# Altium PCB devkit-visao.PcbDoc (part 1 of 2) (continued)
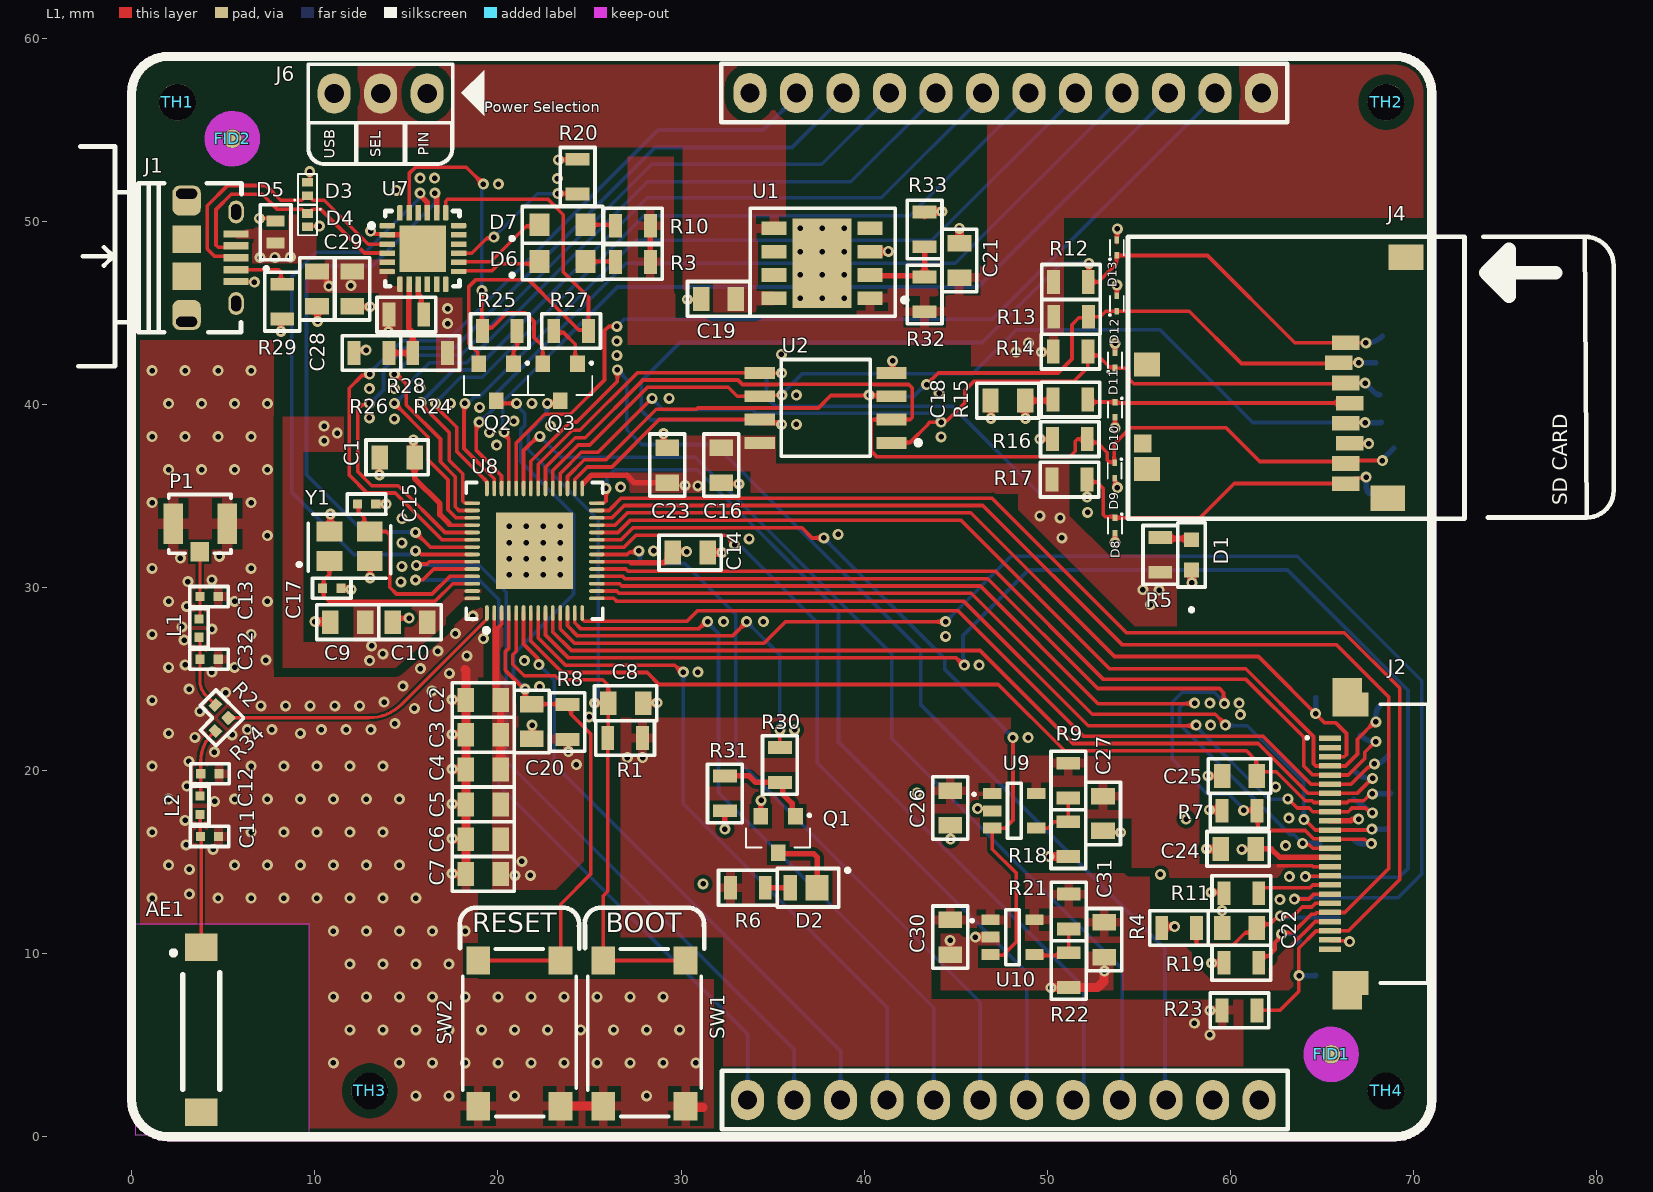
[diagram p0: L1 view]
## Part data (continued)
R4 R19 R23: library part ESR10EZPJ472, "RES - 4K7 0.4W 0805 ±5%", Case Code (Imperial)=0805, Case Code (Metric)=2012, Manufacturer 1=Rohm, Max Power Dissipation=400mW, Resistance=4.7kR, Supplier Part Number 1=RHM4.7KKCT-ND, Temperature Coefficient=200ppm/°C, Tolerance=5%, .PCBChecked="Victor Holanda", .SCHChecked="Victor Holanda", Case/Package=0805, Category="Chip SMD Resistors", ComponentLink7Description=https://datasheet.ciiva.com/16212/esr10ezpd-16212069.pdf?src-supplier=Future+Electronics, ComponentLink7URL=https://datasheet.ciiva.com/16212/esr10ezpd-16212069.pdf?src-supplier=Future+Electronics, Features="Automotive AEC-Q200", Lead Free="Lead Free", Manufacturer Part Number 1=ESR10EZPJ472, Number of Terminations=2, Packaging="Tape and Reel", Power Rating=400mW, Pricing 1="1=0,10000, 10=0,09000, 100=0,03450, 1000=0,01518, 2500=0,01311 (USD)", RoHS=Yes, RoHS Compliant=Yes, Series=ESR, Size Code=0805, Stock 1=374197, Supplier 1=Digi-Key
R6: library part ERJ-6DQJ3R0V, "RES - 3Ω 1/2W 0805 ±5%", Case Code (Imperial)=0805, Case Code (Metric)=2012, Manufacturer 1=Panasonic, Max Operating Temperature=155°C, Max Power Dissipation=500mW, Min Operating Temperature=-55°C, Resistance=3R, Resistor Type="Thick Film", Supplier Part Number 1=P19231CT-ND, Temperature Coefficient=100ppm/°C, Tolerance=5%, .PCBChecked="Victor H", .SCHChecked="Victor H", Case/Package=0805, Category="Chip SMD Resistors", ComponentLink1Description=https://industrial.panasonic.com/cdbs/www-data/pdf/RDN0000/AOA0000C313.pdf?src-supplier=Digi-Key, ComponentLink1URL=https://industrial.panasonic.com/cdbs/www-data/pdf/RDN0000/AOA0000C313.pdf?src-supplier=Digi-Key, Features="Automotive AEC-Q200", Height=0.028inch, Length=0.079inch, Manufacturer Part Number 1=ERJ-6DQJ3R0V, Number of Terminations=2, Packaging="Tape and Reel", Pricing 1="1=0,24000, 10=0,20600, 25=0,15000, 50=0,10880, 100=0,08070, 250=0,06192, 500=0,04878, 1000=0,03377 (USD)", RoHS=Yes, Stock 1=5000, Supplier 1=Digi-Key, Width=0.049inch
R9 R32: library part RMCF0805FT30K0, "RES - 30K 1/8W 0805 ±1%", Case/Package=0805, Manufacturer="Stackpole Electronics", Max Operating Temperature=155°C, Max Power Dissipation=125mW, Min Operating Temperature=-55°C, Package Quantity=5000, Resistance=30kR, Resistor Type="Thick Film", Supplier Part Number 1=RMCF0805FT30K0CT-ND, Temperature Coefficient=100ppm/°C, Tolerance=1%, .PCBChecked="Victor H", .SCHChecked="Victor H", Category="Chip SMD Resistors", ComponentLink1Description=http://components.arrow.com/part/dataview/40964155S7714593N1174?src-supplier=Arrow+Electronics, ComponentLink1URL=http://components.arrow.com/part/dataview/40964155S7714593N1174?src-supplier=Arrow+Electronics, ComponentLink2Description=https://www.seielect.com/catalog/sei-rmcf_rmcp.pdf?src-supplier=Digi-Key, ComponentLink2URL=https://www.seielect.com/catalog/sei-rmcf_rmcp.pdf?src-supplier=Digi-Key, ComponentLink3Description=https://www.seielect.com/catalog/SEI-Packaging.pdf?src-supplier=Digi-Key, ComponentLink3URL=https://www.seielect.com/catalog/SEI-Packaging.pdf?src-supplier=Digi-Key, ComponentLink4Description=https://www.seielect.com/catalog/SEI-RMCF_RMCP.pdf?src-supplier=Avnet, ComponentLink4URL=https://www.seielect.com/catalog/SEI-RMCF_RMCP.pdf?src-supplier=Avnet, Contact Plating=Tin,Matte, Features="Automotive AEC-Q200", Height=0.026inch, Lead Free="Lead Free", Length=0.079inch, Manufacturer Part Number=RMCF0805FT30K0, Mount="Surface Mount", mounting=SMD, Number of Terminations=2, Packaging="Tape and Reel", Pricing 1="1=0,10000, 10=0,02700, 100=0,01090, 1000=0,00488, 2500=0,00423 (USD)", Radiation Hardening=No, RoHS=Yes, RoHS Compliant=Yes, Series=RMCF, Stock 1=854420, Supplier 1=Digi-Key, Width=0.049inch
R18 R22 R26: library part RNCP0805FTD47K5, "RES - 47K5 1/4W 0805 ±1%", Case Code (Imperial)=0805, Case Code (Metric)=2012, Manufacturer 1="Stackpole Electronics", Max Operating Temperature=155°C, Max Power Dissipation=250mW, Min Operating Temperature=-55°C, Resistance=47.5kR, Resistor Type="Thin Film", Supplier Part Number 1=RNCP0805FTD47K5CT-ND, Temperature Coefficient=100ppm/°C, Tolerance=1%, .PCBChecked="Victor H", .SCHChecked="Victor H", Case/Package=0805, Category="Chip SMD Resistors", ComponentLink7Description=http://www.seielect.com/Catalog/SEI-rncp.pdf?src-supplier=Digi-Key, ComponentLink7URL=http://www.seielect.com/Catalog/SEI-rncp.pdf?src-supplier=Digi-Key, ComponentLink8Description=https://www.seielect.com/catalog/SEI-Packaging.pdf?src-supplier=Digi-Key, ComponentLink8URL=https://www.seielect.com/catalog/SEI-Packaging.pdf?src-supplier=Digi-Key, Features="Moisture Resistant,Anti-Sulfur", Height=0.024inch, Length=0.079inch, Manufacturer Part Number 1=RNCP0805FTD47K5, Mount="Surface Mount", Number of Terminations=2, Packaging="Tape and Reel", Pricing 1="1=0,10000, 10=0,07300, 100=0,02970, 1000=0,01336, 2500=0,01159 (USD)", RoHS=Yes, RoHS Compliant=Yes, Series=RNCP, Stock 1=36830, Supplier 1=Digi-Key, Width=0.049inch
R21: library part RMCF0805FT120K, "RES - 120K 1/8W 0805 ±1%", Case Code (Imperial)=0805, Case Code (Metric)=2012, Manufacturer="Stackpole Electronics", Max Operating Temperature=155°C, Max Power Dissipation=125mW, Min Operating Temperature=-55°C, Resistance=120kR, Resistor Type="Thick Film", Supplier Part Number 1=RMCF0805FT120KCT-ND, Temperature Coefficient=100ppm/°C, Tolerance=1%, Case/Package=0805, Category="Chip SMD Resistors", ComponentLink1Description=https://www.seielect.com/catalog/SEI-Packaging.pdf?src-supplier=Digi-Key, ComponentLink1URL=https://www.seielect.com/catalog/SEI-Packaging.pdf?src-supplier=Digi-Key, ComponentLink2Description=https://www.seielect.com/Catalog/SEI-RMCF_RMCP.pdf?src-supplier=Digi-Key, ComponentLink2URL=https://www.seielect.com/Catalog/SEI-RMCF_RMCP.pdf?src-supplier=Digi-Key, ComponentLink3Description=https://www.seielect.com/catalog/SEI-RMCF_RMCP.pdf?src-supplier=Avnet, ComponentLink3URL=https://www.seielect.com/catalog/SEI-RMCF_RMCP.pdf?src-supplier=Avnet, Contact Plating=Tin,Matte, Features="Automotive AEC-Q200", Height=0.026inch, Lead Free="Lead Free", Length=0.079inch, Manufacturer Part Number=RMCF0805FT120K, Mount="Surface Mount", Number of Terminations=2, Packaging="Tape and Reel", Pricing 1="1=0,10000, 10=0,02700, 100=0,01090, 1000=0,00488, 2500=0,00423 (USD)", Radiation Hardening=No, RoHS=Yes, RoHS Compliant=Yes, Series=RMCF, Stock 1=24760, Supplier 1=Digi-Key, Width=0.049inch
R24: library part RMCF0805FT22K1, "RES - 22K1 1/8W 0805 ±1%", Case Code (Imperial)=0805, Case Code (Metric)=2012, Manufacturer 1="Stackpole Electronics", Max Operating Temperature=155°C, Max Power Dissipation=125mW, Min Operating Temperature=-55°C, Resistance=22.1kR, Resistor Type="Thick Film", Supplier Part Number 1=RMCF0805FT22K1CT-ND, Temperature Coefficient=100ppm/°C, Tolerance=1%, .PCBChecked="Victor H", .SCHChecked="Victor H", Case/Package=0805, Category="Chip SMD Resistors", ComponentLink7Description=https://datasheet.ciiva.com/15193/getdatasheetpartid-409700-15193558.pdf?src-supplier=Verical, ComponentLink7URL=https://datasheet.ciiva.com/15193/getdatasheetpartid-409700-15193558.pdf?src-supplier=Verical, Construction=Rectangular, Contact Plating=Tin,Matte, Depth=1.25mm, Features="Automotive AEC-Q200", Height=0.026inch, Lead Free="Lead Free", Length=0.079inch, Manufacturer Part Number 1=RMCF0805FT22K1, Military Standard=Not, Mount="Surface Mount", Number of Terminations=2, Packaging="Tape and Reel", Power Rating=125mW, Pricing 1="1=0,10000, 10=0,02700, 100=0,01090, 1000=0,00488, 2500=0,00423 (USD)", Radiation Hardening=No, RoHS=Yes, RoHS Compliant=Yes, Series=RMCF, Size Code=0805, Stock 1=1311048, Supplier 1=Digi-Key, Width=0.049inch
R29: library part RMCF0805ZT0R00, "RES - 0R 1/8W 0805", Case Code (Imperial)=0805, Case Code (Metric)=2012, Manufacturer 1="Stackpole Electronics", Max Operating Temperature=155°C, Max Power Dissipation=125mW, Min Operating Temperature=-55°C, Resistor Type="Thick Film", Supplier Part Number 1=RMCF0805ZT0R00CT-ND, .PCBChecked="Victor Holanda", .SCHChecked="Victor Holanda", Case/Package=0805, Category="Chip SMD Resistors", ComponentLink7Description=https://datasheet.ciiva.com/15193/getdatasheetpartid-360417-15193658.pdf?src-supplier=Verical, ComponentLink7URL=https://datasheet.ciiva.com/15193/getdatasheetpartid-360417-15193658.pdf?src-supplier=Verical, Construction=Rectangular, Contact Plating=Tin,Matte, Depth=1.25mm, Features="Automotive AEC-Q200", Height=0.026inch, Lead Free="Lead Free", Length=2mm, Manufacturer Part Number 1=RMCF0805ZT0R00, Military Standard=Not, Mount="Surface Mount", mouting=SMD, Number of Terminations=2, Packaging="Tape and Reel", Power Rating=125mW, Pricing 1="1=0,10000, 10=0,01700, 25=0,01280, 50=0,00960, 100=0,00710, 250=0,00540, 500=0,00432, 1000=0,00318 (USD)", Radiation Hardening=No, Resistance=0R, RoHS=Yes, RoHS Compliant=Yes, Series=RMCF, Size Code=0805, Stock 1=6449300, Supplier 1=Digi-Key, Width=0.049inch
SW1 SW2: library part "PTS645SM43SMTR92 LFS", "SWITCH TACTILE SPST-NO 0.05A 12V", Supplier Part Number 1=CKN9112CT-ND, .PCBChecked="Victor H", .SCHChecked="Victor H", Supplier 1=Digi-Key
TH1 TH2 TH3 TH4: "MECH - Tooling Holes"
TP1 TP2 TP3 TP4 TP5 TP6 TP11 TP12 TP13 TP14 TP15 TP16 TP17 TP18 TP19 TP20 TP21 TP22 TP23 TP24 TP25: library part Test_Point, "MECH - Test Points"
U1: "IC - LDO Voltage Controllers LDO Reg Pos 7.0V 1.5A", Dropout Voltage=600mV, Manufacturer 1=Rohm, Max Input Voltage=8V, Max Operating Temperature=85°C, Max Power Dissipation=2.11W, Min Input Voltage=4.5V, Min Operating Temperature=-25°C, Output Current=1.5A, Output Voltage=7V, Package Quantity=1, Supplier Part Number 1=BD70HC5WEFJ-E2CT-ND, .PCBChecked="Victor H", .SCHChecked="Victor H", Category="Voltage Regulators - Linear", ComponentLink1Description=https://datasheet.ciiva.com/12217/bd70hc5wefj-214377-12217508.pdf?src-supplier=Mouser, ComponentLink1URL=https://datasheet.ciiva.com/12217/bd70hc5wefj-214377-12217508.pdf?src-supplier=Mouser, ComponentLink2Description=https://datasheet.ciiva.com/6584/bdxxhc5wefj-e-6584252.pdf?src-supplier=Digi-Key, ComponentLink2URL=https://datasheet.ciiva.com/6584/bdxxhc5wefj-e-6584252.pdf?src-supplier=Digi-Key, ComponentLink3Description=https://datasheet.ciiva.com/6584/bdxxhc5wefj-e-6584253.pdf?src-supplier=Digi-Key, ComponentLink3URL=https://datasheet.ciiva.com/6584/bdxxhc5wefj-e-6584253.pdf?src-supplier=Digi-Key, ComponentLink4Description=https://datasheet.ciiva.com/6584/bdxxhc5wefj-e-6584254.pdf?src-supplier=Digi-Key, ComponentLink4URL=https://datasheet.ciiva.com/6584/bdxxhc5wefj-e-6584254.pdf?src-supplier=Digi-Key, Lead Free="Lead Free", Manufacturer Part Number 1=BD70HC5WEFJ-E2, Mount="Surface Mount", Number of Outputs=1, Number of Pins=8, Number of Regulators=1, Output Type=Fixed, Packaging="Tape and Reel", Pricing 1="1=0,75000, 10=0,65800, 25=0,61760, 100=0,50420, 250=0,46832, 500=0,39856, 1000=0,31885 (USD)", RoHS=Yes, RoHS Compliant=Yes, Series=-, Stock 1=4936, Supplier 1=Digi-Key
U2: "IC - NOR Flash Serial (SPI, Dual SPI, Quad SPI) 3V/3.3V 32M-bit 4M x 8 6ns 8-Pin SOIC T/R", Case/Package=SOIC, Frequency=104MHz, Manufacturer 1=Winbond, Manufacturer Part Number 1="W25Q32JVSSIQ TR", Max Operating Temperature=85°C, Min Operating Temperature=-40°C, Supplier Part Number 1=W25Q32JVSSIQCT-ND, Category=Flash, ComponentLink1Description=http://www.winbond.com/resource-files/w25q32jv%20revg%2003272018%20plus.pdf?src-supplier=Digi-Key, ComponentLink1URL=http://www.winbond.com/resource-files/w25q32jv%20revg%2003272018%20plus.pdf?src-supplier=Digi-Key, Interface=SPI,Serial, Memory Type=FLASH,NOR, Packaging="Tape and Reel", Pricing 1="1=0,94000, 10=0,85700, 25=0,84640, 50=0,84120, 100=0,75220, 250=0,74580, 500=0,73480, 1000=0,70850 (USD)", RoHS=Yes, RoHS Compliant=Yes, Stock 1=124113, Supplier 1=Digi-Key
U7: "IC - Full Speed USB to UART Bridge USB 2.0 3.3V T/R Automotive 24-Pin QFN EP", Manufacturer 1="Silicon Labs", Supplier Part Number 1=336-5888-1-ND, .PCBChecked="Victor H", .SCHChecked="Victor H", Category="Interface ICs", Manufacturer Part Number 1=CP2102N-A02-GQFN24R, Pricing 1="1=2,16000 (USD)", RoHS=Yes, Stock 1=31086, Supplier 1=Digi-Key, Supplier 2=Mouser, Supplier Part Number 2=634-CP2102NA02QFN24R
U8: "IC - SMD ESP32-S3, Dual-core Mcu,", Manufacturer="Espressif Systems", Supplier Part Number 1=1965-ESP32-S3-ND, .PCBChecked="Victor H", .SCHChecked="Victor H", Manufacturer Part Number=ESP32-S3, mounting=SMD, Pricing 1="1=2,04000 (USD)", RoHS=No, Stock 1=2000, Supplier 1=Digi-Key
U9 U10: "IC - LDO Regulator Positive Adj 0.8V to 5V 600mA 5-Pin SOT-25 T/R", Manufacturer=Diodes, Supplier Part Number 1=AP7366-W5-7DICT-ND, ComponentLink1Description=https://www.diodes.com/assets/Datasheets/AP7366.pdf?src-supplier=Digi-Key, ComponentLink1URL=https://www.diodes.com/assets/Datasheets/AP7366.pdf?src-supplier=Digi-Key, Manufacturer Part Number=AP7366-W5-7, Pricing 1="1=0,42000, 10=0,31700, 25=0,28640, 100=0,19780, 250=0,16656, 500=0,13532, 1000=0,10409 (USD)", RoHS=Yes, Stock 1=371289, Supplier 1=Digi-Key
Y1: library part RH100-40.000-10-F-1010-TR, "Crystal - 40MHz ±10ppm (Tol) ±10ppm (Stability) 10pF FUND 60Ohm 4-Pin SMD T/R", Manufacturer 1="Raltron Electronics", Supplier Part Number 1=2151-RH100-40.000-10-F-1010-TRCT-ND, .PCBChecked="Victor H", .SCHChecked="Victor H", Manufacturer Part Number 1=RH100-40.000-10-F-1010-TR, Pricing 1="1=0,39000, 10=0,32400, 50=0,29180, 100=0,25940, 500=0,24640, 1000=0,20750 (USD)", RoHS=Yes, Stock 1=8779, Supplier 1=Digi-Key

## Via types
v1: diameter 0.6, hole 0.3, L1 to L4, tented both sides, 391 vias
v2: diameter 0.6, hole 0.3, L1 to L4, tented bottom, 28 vias

## Nets (pads, with @x,y where several pads share a name; then routed paths per layer and width w, separated by ;. In a path a pad name is that pad's centre, name@x,y a point inside that pad or via, vN(x,y) a via of type N, cw(c..) or ccw(c..) an arc to the next point about the centre after c; other vN are vias at no path point)
+1V2: C27.2 J2.15 R9.2 U9.5 | length 2.8
  L1 w0.2: 62.624,14.8 64.474,14.8 64.524,14.75 J2.15@65.437,14.75
+2V8: C31.2 J2.21 R21.2 U10.5 | length 2.6
  L1 w0.2: 63.336,10.454 64.632,11.75 J2.21@65.437,11.75
+3V3: C1.2 C2.2 C3.2 C4.2 C5.2 C6.2 C7.2 C9.2 C10.2 C14.1 C16.2 C18.2 C21.2 C23.2 C24.1 C26.2 C28.2 C29.2 C30.2 J2.14 J5.1 R1.2 R3.1 R4.1 R5.1 R6.2 R7.1 R8.2 R10.1 R12.1 R13.1 R14.1 R15.1 R16.1 R17.1 R19.1 R23.1 R28.1 R32.2 U1.1 U2.8 U7.5 U7.6 U7.7 U8.2 U8.3 U8.20 U8.29 U8.46 U8.55 U8.56 U9.1 U10.1 | length 40.9
  L1 w0.2: 17.351,33.45 17.401,33.4 U8.46@18.6,33.4 ; U8.2@19.8,28.6 19.8,27.802 19.9,27.702 ; 20.065,27.875 20.083,27.875 20.2,27.992 U8.3@20.2,28.6 ; U8.20@25.4,31.4 27.221,31.4 27.271,31.35
  L1 w0.3: C28.2@10.125,47.25 10.325,47.25 10.625,46.95 10.625,46.725 10.718,46.632 10.718,46.507 v1(10.775,46.45) ; v1(14.025,43.95) 14.038,43.963 14.038,44.987 R28.1@14.05,45 ; v1(15.388,38.05) 15.388,37.162 C1.2@15.45,37.1 15.45,35.956 16.825,34.581 16.825,33.976 17.351,33.45 ; C3.2@20.147,21.978 C3.2@20.15,21.975 ; U8.29@24.65,35.662 25.113,36.125 27.039,36.125 27.439,35.725 C23.2@29.25,35.725 ; 27.271,31.35 29.074,31.35 29.124,31.4 29.25,31.4 C14.1@29.25,31.9 ; R3.1@28.325,47.775 R10.1@28.325,49.75 ; C14.1@29.55,31.9 29.6,31.95 v1(30.3,31.95) ; v1(48.8,39.225) C18.2@48.8,40.2 50.261,40.2 R15.1@50.315,40.254 ; v1(49.6,38.1) 50.085,38.1 50.185,38 R16.1@50.279,38.095 ; R12.1@50.335,46.675 R12.1@50.34,46.68 ; R4.1@56.25,11.4 56.325,11.475 v1(56.95,11.475) v1@56.95,11.414 ; v1(58.975,9.475) 59.625,9.475 R19.1@59.65,9.5 ; R7.1@59.5,17.85 R7.1@59.55,17.8 ; v1(60.624,15.696) C24.1@61.349,15.696 ; C24.1@61.374,15.721 62.229,15.721 62.7,15.25 J2.14@65.437,15.25
  L1 w0.4: 19.9,27.702 19.9,24.1 C2.2@20.15,23.85 ; C3.2@20.147,21.978 C2.2@20.147,23.85 ; C4.2@20.15,20.075 C3.2@20.15,21.975 ; v1(58.85,17.85) R7.1@59.5,17.85
  other v1: 58.877,5.563 58.039,6.198 58.875,6.9 20.925,14.275 21.768,14.275 21.311,15.037 24.282,20.32 27.076,20.701 27.9,20.7 23.85,21.025 13,26 13.716,26.365 13.1,26.8 55.626,29.058 56.113,29.845 55.22,29.87 50.8,32.7 50.7,33.8 49.6,33.9 30.918,35.543 30.225,35.575 10.516,37.998 11.227,38.43 10.516,38.811 48.285,42.85 49.675,42.85 48.971,43.358 11.975,46.475
+5V: C19.2 J6.2 R24.2 U1.5 U1.8
  other v1: 17.25,44.4 17.25,45.225
+5V_in: J5.12 J6.1
+5V_USB: D5.1 J1.1 J6.3
  other v1: 7.01,48.006 7.825,48.025 8.661,48.031
CAM_PWR: U8.23 U9.3 U10.3 | length 42.4
  L1 w0.2: U8.23@25.4,32.6 26.728,32.6 27.378,33.25 36.6,33.25 37.151,32.699 v1(37.799,32.699) ; U10.3@46.8,9.9 46.815,9.915 47.583,9.915 48.3,10.632 48.3,14.4 47,15.7 U9.3@47,16.85 47.677,16.85 48.125,17.298 v1(48.125,21.8)
  L4 w0.2: v1(37.799,32.699) 44.41,26.089 44.41,25.515 v1(48.125,21.8)
CAM_RESET: C22.1 J2.19 R4.2 TP23.1 | length 12.4
  L1 w0.2: R4.2@58.15,11.4 58.15,10.567 58.267,10.45 60.124,10.45 60.817,11.143 61.193,11.143 61.65,11.6 62.167,11.6 62.617,12.05 63.419,12.05 63.919,12.55 64.449,12.55 64.649,12.75 J2.19@65.437,12.75
  L4 w0.2: v1(62.725,12.05) 62.802,11.973 TP23.1@65.95,11.973
CSI_D0: J2.6 TP14.1 U8.14 | length 49.3
  L1 w0.2: U8.14@24.6,28.6 24.6,28.267 24.717,28.15 30.325,28.15 30.9,28.725 45.125,28.725 51.975,21.875 61.781,21.875 64.406,19.25 66.592,19.25 67.505,20.164 67.559,20.164 67.753,20.358 v1(67.862,20.358)
  L4 w0.2: v1(67.862,20.358) v1@67.933,20.358
  L4 w0.3: v1(67.862,20.358) ccw(c67.862,21.073) 68.367,20.567 TP14.1@68.625,20.825
CSI_D1: J2.4 TP12.1 U8.24 | length 51.8
  L1 w0.2: U8.24@25.4,33 26.563,33 27.238,33.675 45.275,33.675 53.4,25.55 60.841,25.55 64.537,21.853 64.537,20.367 64.655,20.25 66.286,20.25 66.939,20.903 66.939,21.714 67.886,22.661 v1(67.945,22.661)
  L4 w0.2: v1(67.945,22.661) v1@68.022,22.737
  L4 w0.3: v1(67.945,22.661) 67.945,23.031 cw(c68.644,23.031) TP12.1@68.15,23.525
CSI_D2: J2.3 TP11.1 U8.25 | length 49.3
  L1 w0.2: U8.25@25.4,33.4 26.397,33.4 27.072,34.075 45.825,34.075 53.675,26.225 61.53,26.225 65.155,22.6 65.762,22.6 66.338,22.024 66.338,20.867 66.22,20.75 J2.3@65.437,20.75
  L4 w0.2: v1(64.65,23.1) v1@64.727,23.177
  L4 w0.3: v1(64.65,23.1) 64.65,23.915 cw(c64.735,23.915) TP11.1@64.675,23.975
CSI_D3: J2.5 TP13.1 U8.19 | length 50
  L1 w0.2: U8.19@25.4,31 26.984,31 27.109,30.875 47.175,30.875 53.075,24.975 60.85,24.975 64,21.825 64,20.25 64.488,19.762 65.425,19.762 J2.5@65.437,19.75 66.435,19.75 67.341,20.655 67.341,20.991 v1@67.875,21.525
  L4 w0.2: v1(67.95,21.575) v1@67.95,21.604
  L4 w0.3: TP13.1@67.1,21.925 ccw(c67.945,22.77) 67.945,21.575 v1(67.95,21.575)
CSI_D4: J2.7 TP15.1 U8.10 | length 50.9
  L1 w0.2: U8.10@23,28.6 23,27.566 24.016,26.55 46.325,26.55 51.4,21.475 61.525,21.475 64.25,18.75 66.916,18.75 67.73,19.564 v1(67.763,19.564)
  L4 w0.2: v1@67.687,19.64 v1(67.763,19.564)
  L4 w0.3: TP15.1@66.85,19.9 ccw(c67.662,20.712) 67.662,19.564 v1(67.763,19.564)
CSI_D5: J2.9 TP17.1 U8.15 | length 48.7
  L1 w0.2: U8.15@25.4,29.4 26.322,29.4 26.472,29.25 45.425,29.25 52.237,22.438 58.088,22.438 v1(58.125,22.475) ; v1(63.136,18.45) 63.153,18.45 63.653,17.95 64.3,17.95 64.5,17.75 J2.9@65.437,17.75 66.443,17.75 66.643,17.95 67.375,17.95 67.641,17.684 v1(67.749,17.684)
  L4 w0.2: v1(58.125,22.475) 58.125,22.401 62.101,18.425 63.111,18.425 v1(63.136,18.45)
  L4 w0.3: TP17.1@66.75,18.425 v1(67.749,17.684)
CSI_D6: J2.11 TP18.1 U8.16 | length 50
  L1 w0.2: U8.16@25.4,29.8 26.487,29.8 26.612,29.675 45.85,29.675 52.45,23.075 59.173,23.075 59.725,22.524 v1(59.725,22.475) ; v1(64.007,17.323) 64.055,17.323 64.628,16.75 J2.11@65.437,16.75 67.673,16.75 v1(67.726,16.803)
  L4 w0.2: v1(59.725,22.475) 59.751,22.449 60.926,22.449 64,19.375 64,17.33 v1(64.007,17.323) ; v1(67.726,16.803) v1@67.799,16.877
  L4 w0.3: v1(67.726,16.803) 68.547,16.803 ccw(c68.547,16.878) TP18.1@68.6,16.825
CSI_D7: J2.13 TP20.1 U8.17 | length 49.2
  L1 w0.2: U8.17@25.4,30.2 26.653,30.2 26.778,30.075 46.35,30.075 52.775,23.65 58.022,23.65 v1(58.047,23.675) ; v1(63.939,16.025) 64.016,15.948 64.298,15.948 64.497,15.75 J2.13@65.437,15.75
  L4 w0.2: v1(58.047,23.675) 58.028,23.655 57.447,23.655 57.225,23.433 57.225,22.525 63.25,16.5 63.464,16.5 v1(63.939,16.025)
  L4 w0.3: v1(63.939,16.025) 64.754,16.025 cw(c64.754,15.854) TP20.1@64.875,15.975
CSI_HSYNC: J2.16 TP21.1 U8.9 | length 71.9
  L1 w0.2: U8.9@22.6,28.6 22.6,27.401 23.851,26.15 45.026,26.15 45.426,25.75 v1(45.475,25.75) ; v1(64.097,14.2) 64.122,14.225 65.413,14.225 J2.16@65.437,14.25
  L4 w0.2: v1(45.475,25.75) 45.4,25.825 45.4,27.375 48.975,30.95 63.125,30.95 69.698,24.377 69.698,14.648 69.225,14.175 TP21.1@66,14.175 ; v1(64.097,14.2) 64.109,14.213 65.788,14.213 65.9,14.325 TP21.1@66,14.225
CSI_MCLK: J2.12 R7.2 TP19.1 U8.18 | length 58.3
  L1 w0.2: U8.18@25.4,30.6 26.819,30.6 26.944,30.475 46.75,30.475 52.75,24.475 59.4,24.475 59.625,24.25 59.625,23.7 v1(59.675,23.65) ; v1(60.725,17.825) 61.325,17.825 R7.2@61.4,17.75 ; R7.2@61.45,17.8 61.5,17.75 61.5,16.8 61.577,16.723 64.089,16.723 64.537,16.275 65.412,16.275 J2.12@65.437,16.25 67.338,16.25 67.587,16.001 v1(67.695,16.001)
  L4 w0.2: v1(59.675,23.65) 59.675,23.724 59.124,24.275 57.375,24.275 56.825,23.725 56.825,20.625 58.75,18.7 59.925,18.7 60.725,17.9 v1(60.725,17.825)
  L4 w0.3: TP19.1@66.8,16.175 ccw(c67.221,16.596) 67.221,16.001 v1(67.695,16.001)
CSI_PCLK: C25.2 J2.8 TP16.1 U8.7 | length 53.1
  L1 w0.2: U8.7@21.8,28.6 21.8,27.069 23.519,25.35 28.15,25.35 28.8,24.7 47.325,24.7 50.95,21.075 60.875,21.075 61.417,20.533 61.417,19.733 C25.2@61.45,19.7 61.675,19.925 62.509,19.925 64.084,18.35 64.466,18.35 64.566,18.25 J2.8@65.437,18.25 66.377,18.25 66.477,18.35 67.276,18.35 67.651,18.725 v1(67.75,18.725)
  L4 w0.2: v1(67.75,18.725) v1@67.825,18.8
  L4 w0.3: v1(67.75,18.725) 68.69,18.725 ccw(c68.69,18.81) TP16.1@68.75,18.75
CSI_VSYNC: J2.18 TP22.1 U8.11 | length 73.1
  L1 w0.2: U8.11@23.4,28.6 23.4,27.732 24.182,26.95 34.525,26.95 35.7,28.125 v1(44.45,28.125) ; v1(63.5,12.979) 64.29,12.979 64.561,13.25 J2.18@65.437,13.25
  L4 w0.2: v1(44.45,28.125) 48.025,31.7 63.648,31.7 70.446,24.902 70.446,14.346 69.15,13.05 TP22.1@64.475,13.05 ; v1(63.5,12.979) 63.546,13.025 TP22.1@64.475,13.025
DTR: Q3.2 R25.1 U7.23 | length 20.8
  L1 w0.2: U7.23@15.15,50.45 15.15,52.599 15.501,52.95 18.275,52.95 v1(19.2,52.025) ; v1(19.125,46.2) 19.125,44.025 R25.1@19.15,44 19.333,44.183 19.683,44.183 20.5,45 21.5,45 21.975,44.525 21.975,43.651 22.45,43.176 Q3.2@22.45,42.2
  L4 w0.2: v1(19.125,46.2) 19.125,51.95 v1(19.2,52.025)
EN: C20.2 Q2.3 R8.1 SW2.3 SW2.4 U8.4 | length 47.1
  L1 w0.2: SW2.4@18.825,9.625 23.287,9.625 SW2.3@23.356,9.694 ; Q2.3@20.174,39.899 20.174,40.024 20.2,40.05 v1(21.025,40.05) ; U8.4@20.6,28.6 20.6,26.689 20.409,26.498 20.409,25.466 21.425,24.45 21.5,24.45 21.485,24.435 21.485,23.975 21.835,23.625 23.5,23.625 23.775,23.625 23.995,23.405 23.995,23.067 25.068,21.994 25.068,14.343 23.425,12.7 SW2.3@23.425,9.625
  L4 w0.2: v1(21.025,40.05) 21.025,39.942 21.466,39.501 21.466,38.834 21.25,38.618 21.25,36.873 24.125,33.998 24.125,29.625 20.85,26.35 20.85,25.105 21.485,24.47 v1(21.485,24.45)